# Altium PCB RevA3.PcbDoc (part 3 of 5)
Units mm, origin at the board's own origin, x right, y up, seen from the top; angles counter-clockwise.
Board outline 173 x 171 mm, 4 copper layers (Top Layer, Mid Layer 1, Mid Layer 2, Bottom Layer), stack 1.57 mm thick; 306 components, 465 nets, 1987 pads, 739 vias.
Unrouted connection lines stored in the file: 355.
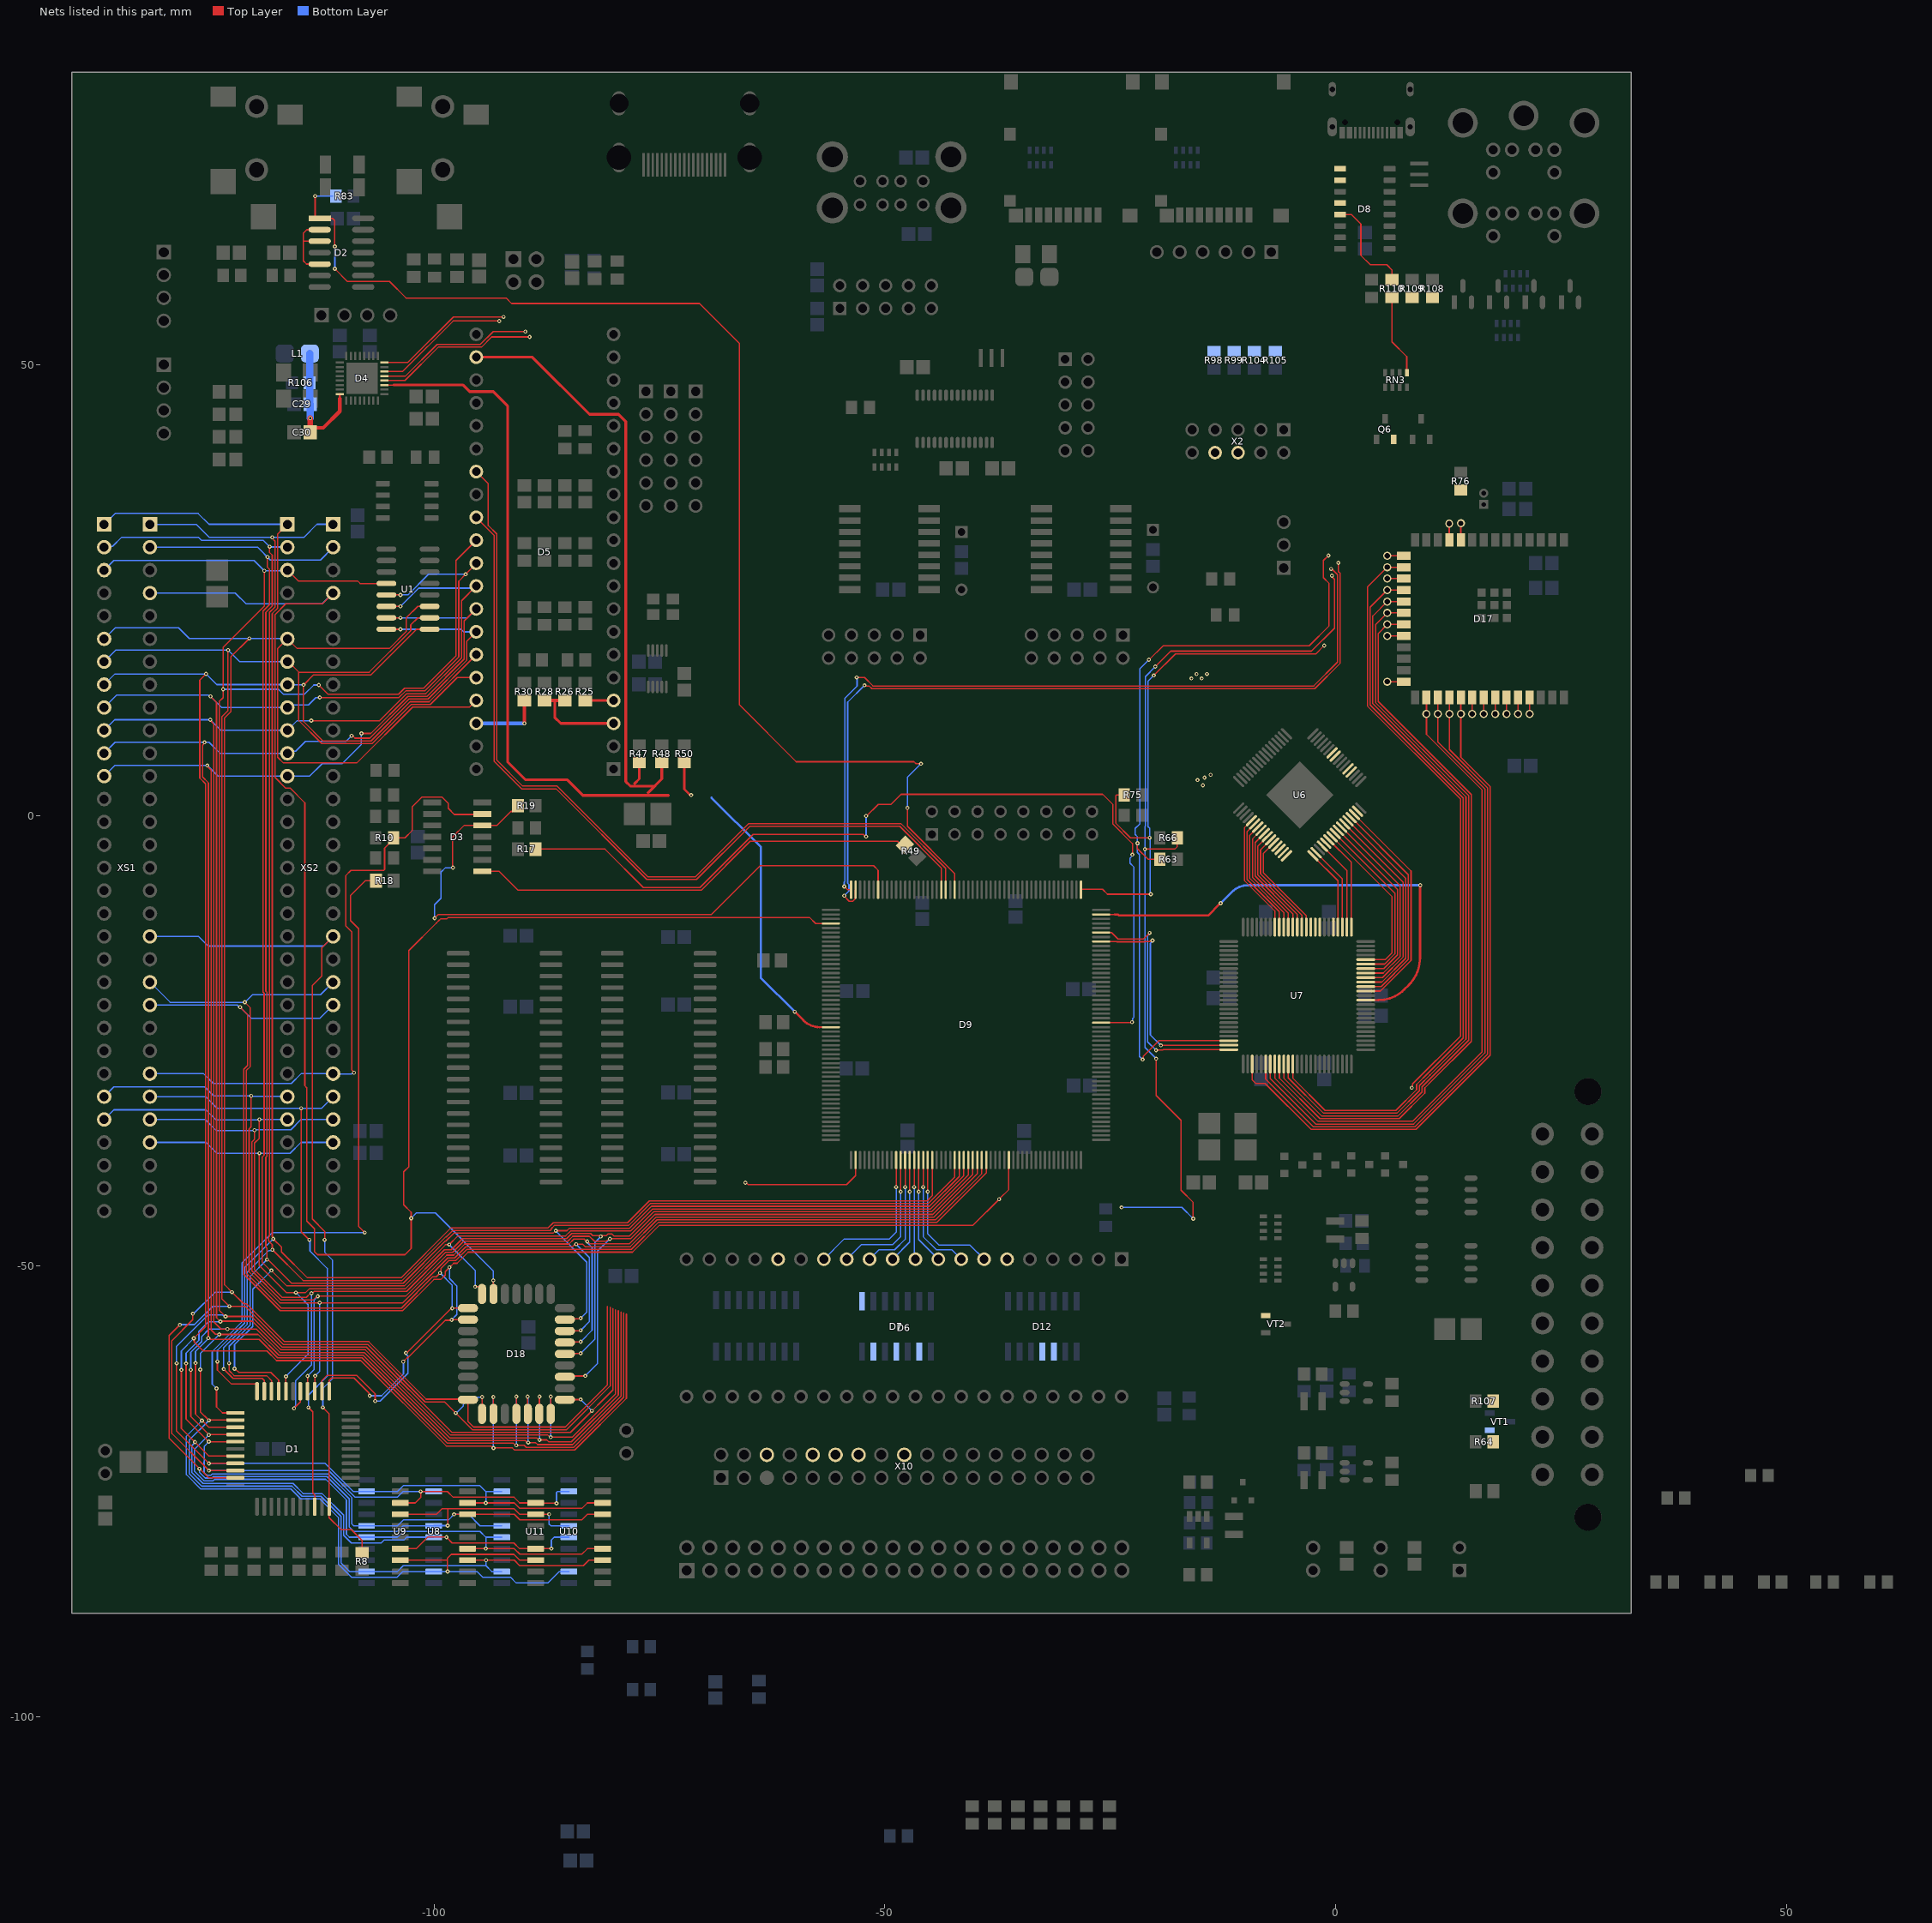
[diagram p5: the nets of this part, all layers, seen from the top]

## Via types
v1: diameter 0.45, hole 0.2, Top Layer to Bottom Layer, tented both sides, 631 vias
v2: diameter 0.9, hole 0.6, Top Layer to Bottom Layer, 35 vias
v3: diameter 0.5, hole 0.2, Top Layer to Bottom Layer, 25 vias
v4: diameter 0.45, hole 0.2, Top Layer to Bottom Layer, tented bottom, 18 vias
v5: diameter 0.45, hole 0.2, Top Layer to Bottom Layer, 15 vias
v6: diameter 1, hole 0.5, Top Layer to Bottom Layer, tented both sides, 9 vias
v7: diameter 5.5, hole 3.96, Top Layer to Bottom Layer, 6 vias

## Nets (pads, with @x,y where several pads share a name; then routed paths per layer and width w, separated by ;. In a path a pad name is that pad's centre, name@x,y a point inside that pad or via, vN(x,y) a via of type N, cw(c..) or ccw(c..) an arc to the next point about the centre after c; other vN are vias at no path point) (continued)
A6: D1.34 D6.6 D9.36 D18.6 XS1.A22 XS2.A22 | length 175.8
  Top Layer w0.15: v1(-121.524,-21.284) -120.7,-22.108 -120.7,-27.749 -121.133,-28.182 -121.133,-50.913 -117.086,-54.961 -103.503,-54.961 -100.042,-51.5 -99.264,-51.5 -98.775,-51.011 -98.775,-50.624 v1(-98.3,-50.149) ; D1.34@-111.65,-63.9 -111.65,-62.7 -111.375,-62.425 -108.912,-62.425 -107.236,-64.1 -107.236,-64.314 v1(-107.15,-64.4) ; v1(-103.434,-60.615) -102.988,-60.169 -102.919,-60.169 -98.777,-56.027 -98.116,-56.027 v1(-98.069,-55.98) -98.054,-55.965 -96.27,-55.965 D18.6@-96.255,-55.95 ; v1@-98.25,-50.149 -98.25,-50.099 -97.851,-49.7 -97.462,-49.7 -96.225,-48.463 -78.005,-48.463 -75.019,-45.477 -40.209,-45.477 v1(-37.322,-42.59) ; D9.36@-36.25,-38.25 -36.25,-41.518 -37.239,-42.507 v1@-37.239,-42.59 ; v1(-37.322,-42.59) v1@-37.239,-42.59 ; v1(-37.322,-42.59) v1@-37.239,-42.59
  Bottom Layer w0.15: XS1.A22@-131.53,-21.05 -121.837,-21.05 -121.603,-21.284 v1(-121.524,-21.284) -120.293,-22.515 -112.675,-22.515 XS2.A22@-111.21,-21.05 ; v1(-107.15,-64.4) -105.834,-64.4 -103.411,-61.977 -103.411,-60.638 v1(-103.434,-60.615) ; v1(-98.3,-50.149) -98.3,-51.398 -97.475,-52.223 -97.475,-55.386 v1(-98.069,-55.98)
A7: D1.35 D9.31 D18.5 XS1.A21 XS2.A21 | length 173.8
  Top Layer w0.15: v1(-121.003,-20.745) -120.4,-21.348 -120.4,-27.873 -120.833,-28.307 -120.833,-50.789 -116.962,-54.661 -103.627,-54.661 -100.166,-51.2 -99.777,-51.2 v1(-99.35,-50.772) ; D1.35@-112.45,-63.9 -112.45,-62.7 -111.875,-62.125 -108.612,-62.125 -106.55,-64.187 v1(-106.55,-64.995) ; v1(-103.136,-59.644) -103.04,-59.644 -98.096,-54.7 v1(-98,-54.7) -97.99,-54.69 -96.265,-54.69 D18.5@-96.255,-54.68 ; v1@-99.382,-50.732 -99.264,-50.614 -99.264,-50.3 -98.364,-49.4 -97.596,-49.4 -96.359,-48.163 -78.13,-48.163 -75.144,-45.177 -44.253,-45.177 -38.75,-39.674 D9.31@-38.75,-38.25
  Bottom Layer w0.15: XS1.A21@-131.53,-18.51 -129.295,-20.745 v1(-121.003,-20.745) ; v1@-121.003,-20.677 -120.935,-20.677 -120.159,-19.902 -112.602,-19.902 XS2.A21@-111.21,-18.51 ; v1(-106.55,-64.995) -106.006,-64.995 -102.907,-61.897 -102.907,-59.995 -103.136,-59.766 v1(-103.136,-59.644) ; v1(-99.35,-50.772) -98,-52.122 v1(-98,-54.7)
A8: D1.36 D9.30 D18.27 XS1.B26 XS2.B26 | length 153.5
  Top Layer w0.15: v1(-120.308,-31.132) -120.308,-34.561 -120.533,-34.786 -120.533,-50.665 -117.11,-54.088 v1(-112.705,-54.088) -103.478,-54.088 -98.49,-49.1 -97.72,-49.1 -96.483,-47.863 -84.658,-47.863 -84.376,-47.581 v1(-84.254,-47.581) ; D1.36@-113.25,-63.9 -113.233,-63.883 -113.233,-62.217 v1(-113.215,-62.2) ; D18.27@-85.205,-57.23 -85.153,-57.178 -83.792,-57.178 v1(-83.75,-57.137) ; v1@-84.132,-47.581 -83.528,-47.581 -83.253,-47.856 -78.247,-47.856 -75.268,-44.877 -44.377,-44.877 -39.25,-39.75 D9.30@-39.25,-38.25
  Bottom Layer w0.15: XS1.B26@-136.866,-31.466 -135.535,-30.135 -125.446,-30.135 -124.448,-31.132 -120.483,-31.132 -120.445,-31.171 -116.329,-31.171 XS2.B26@-116.29,-31.21 ; v1(-113.215,-62.2) -112.705,-61.689 v1(-112.705,-54.088) ; v1(-84.254,-47.581) -82.777,-49.058 -82.777,-56.164 v1(-83.75,-57.137)
A9: D1.37 D9.29 D18.26 XS1.A27 XS2.A27 | length 151
  Top Layer w0.15: v1(-119.94,-34.935) -119.94,-35.952 -120.233,-36.246 -120.233,-50.541 -116.986,-53.788 -113.433,-53.788 -113.003,-53.357 -103.172,-53.357 -98.615,-48.8 -97.844,-48.8 -96.608,-47.563 -85.049,-47.563 -84.492,-47.006 -83.365,-47.006 -83.09,-47.281 v1(-83.015,-47.281) ; D1.37@-114.05,-63.9 v1(-114.05,-62.21) ; D18.26@-85.17,-58.465 -85.15,-58.445 -83.795,-58.445 v1(-83.75,-58.4) ; v1@-82.977,-47.281 -82.702,-47.556 -78.371,-47.556 -75.392,-44.577 -44.569,-44.577 -39.75,-39.758 D9.29@-39.75,-38.25
  Bottom Layer w0.15: XS1.A27@-131.53,-33.75 -125.406,-33.75 -124.156,-35 -120.005,-35 -119.882,-34.877 -115.896,-34.877 -114.77,-33.75 XS2.A27@-111.21,-33.75 ; v1(-114.05,-62.21) -113.311,-61.472 -113.311,-53.761 v1(-112.907,-53.357) ; v1(-83.75,-58.4) -82.477,-57.126 -82.477,-47.941 -83.015,-47.403 v1(-83.015,-47.281)
A10: D1.38 D9.28 D18.23 XS1.B27 XS2.B27 | length 161
  Top Layer w0.15: v1(-119.399,-33.748) -119.399,-35.836 -119.933,-36.37 -119.933,-50.416 -116.862,-53.488 -114.179,-53.488 -113.733,-53.041 -113.526,-53.041 -113.298,-52.813 -103.052,-52.813 -98.739,-48.5 -97.968,-48.5 -96.732,-47.263 -85.173,-47.263 -84.616,-46.706 -82.777,-46.706 -82.227,-47.256 -80.901,-47.256 -80.626,-46.981 v1@-80.542,-46.981 ; v1(-115.55,-65.8) -114.85,-65.1 D1.38@-114.85,-63.9 ; D18.23@-85.135,-62.24 -85.11,-62.215 -83.265,-62.215 v1(-83.25,-62.2) ; v1(-80.504,-46.981) -78.22,-46.981 -75.516,-44.277 -44.693,-44.277 -40.25,-39.834 D9.28@-40.25,-38.25
  Bottom Layer w0.15: XS1.B27@-136.785,-33.925 -135.535,-32.675 -125.325,-32.675 -124.2,-33.8 -119.451,-33.8 v1(-119.399,-33.748) ; v1@-119.398,-33.749 XS2.B27@-116.29,-33.75 ; v1(-115.55,-65.8) -115.55,-65.678 -115.375,-65.503 -115.375,-62.741 -113.611,-60.977 v1(-113.611,-53.041) ; v1(-83.25,-62.2) -81.877,-60.827 -81.877,-48.354 v1(-80.504,-46.981)
A11: D1.40 D9.27 D18.25 XS1.A28 XS2.A28 | length 149
  Top Layer w0.15: v1(-119.396,-37.496) -119.396,-49.967 -116.415,-52.948 v1(-115.354,-52.948) -114.26,-52.948 -113.826,-52.513 -103.177,-52.513 -98.863,-48.2 -98.093,-48.2 -96.856,-46.963 -85.298,-46.963 -84.741,-46.406 -82.652,-46.406 -82.416,-46.642 -81.511,-46.642 -81.507,-46.646 -80.911,-46.646 -80.721,-46.456 -80.286,-46.456 -80.061,-46.681 -78.345,-46.681 -75.641,-43.977 -44.817,-43.977 -40.75,-39.91 D9.27@-40.75,-38.25 ; D1.40@-116.45,-63.9 v1(-116.449,-62.269) ; D18.25@-85.135,-59.7 -85.105,-59.73 -83.78,-59.73 v1(-83.75,-59.7)
  Bottom Layer w0.15: XS1.A28@-131.53,-36.29 -125.307,-36.29 -124.097,-37.5 -119.399,-37.5 v1(-119.396,-37.496) -119.393,-37.5 -115.98,-37.5 -114.77,-36.29 XS2.A28@-111.21,-36.29 ; v1(-116.449,-62.269) -116.449,-62.224 -114,-59.775 -114,-54.302 v1(-115.354,-52.948) ; v1(-83.75,-59.7) -82.177,-58.127 -82.177,-47.397 v1(-81.511,-46.731)
A12: D1.41 D9.26 D18.4 XS1.A2 XS2.A2 | length 212.3
  Top Layer w0.15: v1(-122.15,-61.4) -121.65,-61.8 -118.125,-61.8 -117.25,-62.675 D1.41@-117.25,-63.9 ; v1(-118.493,28.662) -118.493,27.538 -118.265,27.31 -118.265,23.373 -118.975,22.663 -118.975,-19.62 -118.867,-19.728 -118.867,-37.71 -119.096,-37.939 -119.096,-49.567 -118.163,-50.5 v1(-118.05,-50.5) -116.336,-52.213 -103.308,-52.213 -98.747,-47.652 -98.358,-47.652 v1(-98.331,-47.625) -97.369,-46.663 -85.422,-46.663 -84.865,-46.106 -78.194,-46.106 -75.765,-43.677 -44.941,-43.677 -41.25,-39.986 D9.26@-41.25,-38.25 ; v1(-95.45,-52.3) -94.831,-52.3 -94.66,-52.471 D18.4@-94.66,-52.842
  Bottom Layer w0.15: XS1.A2@-131.53,29.75 -119.581,29.75 -118.172,28.341 -112.619,28.341 XS2.A2@-111.21,29.75 ; v1(-122.15,-61.4) -122.15,-58.727 -120.132,-56.709 -120.132,-52.582 v1(-118.05,-50.5) ; v1(-98.331,-47.625) -95.45,-50.506 v1(-95.45,-52.3)
A13: D1.42 D9.25 D18.28 XS1.B2 XS2.B2 | length 218.7
  Top Layer w0.15: v1(-122.75,-60.8) -122.75,-61.613 -122.194,-62.169 -118.581,-62.169 -118.05,-62.7 D1.42@-118.05,-63.9 ; v1(-118.253,29.81) -118.253,29.165 -117.965,28.876 -117.965,23.248 -118.675,22.538 -118.675,-19.496 -118.567,-19.603 -118.567,-37.834 -118.675,-37.942 -118.675,-47.899 -118.55,-48.024 v1(-118.55,-49.3) -118.437,-49.3 -115.823,-51.913 -103.432,-51.913 -98.783,-47.263 -98.712,-47.263 -97.812,-46.363 -86.817,-46.363 -86.542,-46.088 v1(-86.504,-46.088) -85.271,-46.088 -84.989,-45.806 -78.318,-45.806 -75.889,-43.377 -45.066,-43.377 -41.75,-40.061 D9.25@-41.75,-38.25 ; D18.28@-85.135,-55.89 -85.12,-55.875 -83.825,-55.875 v1(-83.75,-55.8)
  Bottom Layer w0.15: XS1.B2@-136.61,29.75 -136.504,29.856 -135.673,29.856 -134.666,30.863 -126.163,30.863 -125.8,30.5 -118.943,30.5 v1(-118.253,29.81) -118.223,29.78 -116.32,29.78 XS2.B2@-116.29,29.75 ; v1(-122.75,-60.8) -122.75,-58.903 -120.432,-56.585 -120.432,-51.182 v1(-118.55,-49.3) ; v1(-86.504,-46.088) -86.504,-46.144 -83.077,-49.571 -83.077,-55.127 v1(-83.75,-55.8)
A14: D1.43 D9.24 XS1.A1 XS2.A1 | length 206.9
  Top Layer w0.15: v1(-123.35,-61.435) -123.35,-61.437 -122.318,-62.469 -119.081,-62.469 -118.85,-62.7 D1.43@-118.85,-63.9 ; v1(-117.968,30.853) -117.968,30.731 -117.665,30.427 -117.665,23.124 -118.265,22.524 -118.265,-46.672 -118.375,-46.782 -118.375,-47.217 -117.965,-47.627 -117.965,-48.185 v1(-117.95,-48.2) -114.536,-51.613 -103.557,-51.613 -98.694,-46.75 -98.623,-46.75 -97.936,-46.063 -87.117,-46.063 -87.029,-45.975 -87.029,-45.871 -86.664,-45.506 -78.442,-45.506 -76.013,-43.077 -45.19,-43.077 -42.25,-40.137 D9.24@-42.25,-38.25
  Bottom Layer w0.15: XS1.A1@-131.53,32.29 -126.394,32.29 -124.957,30.853 v1(-117.968,30.853) -114.452,30.853 -113.005,32.3 XS2.A1@-111.15,32.3 ; v1(-123.35,-61.435) -123.35,-59.079 -120.732,-56.461 -120.732,-50.669 -118.349,-48.286 -118.036,-48.286 v1(-117.95,-48.2)
A15: D1.44 D9.19 XS1.B1 XS2.B1 | length 207.6
  Top Layer w0.15: v1(-124.05,-60.613) -124.05,-61.549 -122.524,-63.075 -119.773,-63.075 -119.65,-63.198 D1.44@-119.65,-63.9 ; XS2.B1@-116.275,32.275 -116.305,32.275 -117.351,31.229 -117.351,30.21 -117.365,30.196 -117.365,24.225 -117.351,24.211 -117.351,23.014 -117.965,22.4 -117.965,-46.763 -117.85,-46.878 v1(-117.85,-47) -117.85,-47.1 -117.75,-47.1 -116.95,-47.9 -116.95,-48.437 -114.074,-51.313 -103.681,-51.313 -98.131,-45.763 -87.346,-45.763 -86.788,-45.206 -78.567,-45.206 -76.138,-42.777 -45.314,-42.777 -44.75,-42.213 D9.19@-44.75,-38.25
  Bottom Layer w0.15: XS1.B1@-136.787,32.113 -135.4,33.5 -126.187,33.5 -124.987,32.3 XS2.B1@-116.25,32.3 ; v1(-124.05,-60.613) -124.05,-59.354 -121.032,-56.336 -121.032,-50.182 v1(-117.85,-47)
AC97_CLK_1: D4.11 R48.2 U6.4 | length 77.4
  Top Layer w0.15: D4.11@-105.525,47.75 -104.5,47.75
  Top Layer w0.3: -104.5,47.75 -96.781,47.75 -96.055,47.024 -93.444,47.024 -91.856,45.436 -91.856,5.947 -89.846,3.938 -85.231,3.938 -83.51,2.217 -74.033,2.217 ; -76.283,2.517 -74.75,4.05 R48.2@-74.75,5.846
ADCDAT_1: D4.16 D17.35 U6.5 | length 17.1
  Top Layer w0.15: D4.16@-105.525,50.25 -102.924,50.25 -97.873,55.302 -92.305,55.302 v1(-92.298,55.308) ; v2(18.972,11.25) D17.35@18.972,13.075
  other v1: -14.722,3.326
  other v4: -14.276,15.689
ATX_POWERON_1: R64.2 R107.2 VT1.1 VT2.1
AVDD: C29.1 C30.1 D4.32 L1.1 R106.2 | length 14.5
  Top Layer w0.2: -110.475,46.25 D4.32@-110.475,46.75
  Top Layer w0.4: C30.1@-113.75,42.5 -113.25,43 -112.311,43 -110.475,44.836 -110.475,46.25
  Top Layer w0.6: C30.1@-113.75,43 v1(-113.75,44.073)
  Bottom Layer w0.8: L1.1@-113.787,51.25 -113.805,51.232 -113.805,48.018 R106.2@-113.823,48 -113.787,47.963 -113.787,45.662 C29.1@-113.75,45.625 v1(-113.75,44.073)
AY_BC1_1: D5.29 D9.136 | length 89.7
  Top Layer w0.15: D5.29@-95.335,33.065 -95.335,33.058 -93.366,31.089 -93.366,6.012 -90.301,2.947 -86.478,2.947 -76.418,-7.113 -70.885,-7.113 -64.98,-1.208 -48.356,-1.208 -43.75,-5.814 D9.136@-43.75,-8.25
AY_BDIR_1: D5.27 D9.135 | length 95
  Top Layer w0.15: D5.27@-95.335,38.145 -93.998,36.808 -93.998,32.153 -93.066,31.221 -93.066,6.136 -90.177,3.247 -86.354,3.247 -76.293,-6.813 -71.009,-6.813 -65.104,-0.908 -48.224,-0.908 -43.25,-5.882 D9.135@-43.25,-8.25
AY_CLK_1: D5.22 R47.2 | length 65.5
  Top Layer w0.3: D5.22@-95.335,50.845 -89.112,50.845 -82.767,44.5 -79.556,44.5 -78.75,43.694 -78.75,3.75 -78.25,3.25 -75.5,3.25 ; -77.75,3.55 -77.25,4.05 R47.2@-77.25,5.846
  Bottom Layer w0.3: D5.22@-95.335,50.818 D5.22@-95.335,50.845
B\E\E\P\_3: D2.2 D2.3 D2.5 | length 8.8
  Top Layer w0.15: D2.5@-112.7,61.17 -114.161,61.17 -114.512,61.521 -114.512,63.71 ; D2.3@-112.7,63.71 -114.512,63.71 ; D2.2@-112.7,64.98 -114.136,64.98 -114.512,64.604 -114.512,63.71
B\U\S\A\: D1.20 XS1.A26 XS2.A26 | length 67.7
  Top Layer w0.15: v1(-114.75,-32.5) -114.75,-46.2 v1(-113.85,-47.1) ; v1(-113.95,-65.7) -113.475,-66.175 -113.475,-75.175 -113.25,-75.4 D1.20@-113.237,-76.7
  Bottom Layer w0.15: XS1.A26@-131.53,-31.21 -125.356,-31.21 -124.066,-32.5 v1(-114.75,-32.5) -112.5,-32.5 XS2.A26@-111.21,-31.21 ; v1@-113.95,-65.5 -113.95,-64.333 -111.863,-62.247 -111.863,-50.262 -113.775,-48.35 -113.775,-47.175 v1(-113.85,-47.1)
B\U\S\R\: D1.22 R8.2 XS1.A19 XS2.A19 | length 94.4
  Top Layer w0.15: v1(-112.35,-65.7) -111.65,-66.4 D1.22@-111.65,-76.7 -111.65,-77.925 -110.312,-79.262 -109.187,-79.262 -108,-80.45 R8.2@-108,-81.798 ; v1(-112.15,-47.1) -112.15,-46.148 -113.525,-44.773 -113.525,-18.88 -112.45,-17.805 -112.45,-14.67 -111.25,-13.47 XS2.A19@-111.25,-13.4
  Bottom Layer w0.15: XS1.A19@-131.53,-13.43 -126.15,-13.43 -125.075,-14.505 -112.285,-14.505 XS2.A19@-111.21,-13.43 ; v1(-112.35,-65.7) -112.35,-63.582 -111.263,-62.495 -111.263,-49.362 -112.15,-48.475 v1(-112.15,-47.1)
BCLK_1: D4.12 D17.32 U6.9 | length 19.9
  Top Layer w0.15: D4.12@-105.525,48.25 -103.248,48.25 -99.548,51.95 -94.761,51.95 -93.624,53.087 v1(-89.411,53.087) ; v2(15.162,11.25) D17.32@15.162,13.075
  other v1: -15.322,3.922
  other v4: -16,15.19
BEEP_1: D2.1 D9.133 R83.1 | length 139.9
  Top Layer w0.15: v1(-113.203,68.71) -113.203,66.5 -112.953,66.25 D2.1@-112.7,66.25 -111.287,66.25 -111.05,66.013 -111.05,63.149 v1(-111.015,63.114) ; v1(-111.021,60.642) -109.629,59.25 -104.964,59.25 -103.119,57.405 -92.017,57.405 -91.411,56.799 -70.566,56.799 -66.125,52.358 -66.125,12.241 -59.834,5.95 -46.762,5.95 -46.537,5.725 v1(-46,5.725) ; v1(-47.493,0.824) -47.493,-1.212 -42.25,-6.455 D9.133@-42.25,-8.25
  Bottom Layer w0.15: v1(-113.203,68.71) R83.1@-111.25,68.71 ; v1(-111.021,60.642) -111.018,60.645 -111.018,63.111 v1(-111.015,63.114) ; v1(-47.493,0.824) -47.493,4.232 v1(-46,5.725)
C\O\N\F\I\G\_1: D9.105 D17.22 R75.1 | length 63.2
  Top Layer w0.15: D9.105@-28.25,-8.25 -28.2,-8.2 -25.857,-8.2 -25.306,-8.75 v1(-20.5,-8.75) ; R75.1@-23.453,2.25 -24.304,2.25 -24.392,2.162 -24.392,-0.858 -22.765,-2.485 v1(-20.628,-2.485) ; v4(-20.163,15.525) -17.768,17.92 -2.193,17.92 -1.276,18.837 v1(-1.26,18.837) ; v2(5.737,19.92) D17.22@7.562,19.92
  Bottom Layer w0.15: v1(-20.5,-8.75) -20.564,-8.686 -20.564,-2.543 -20.625,-2.482 -20.619,-2.476 -20.619,-1.431 -20.799,-1.251 -20.799,14.888 v4(-20.163,15.525)
C\P\L\D\_\S\S\E\L\_1: D17.15 R63.2 U7.73 | length 91.4
  Top Layer w0.15: v1(-21.979,-3.09) -21.99,-3.101 -21.99,-3.69 -20.797,-4.883 R63.2@-19.501,-4.883 ; v1(-21.411,-27.091) -21.331,-27.011 -21.331,-26.728 -19.603,-25 U7.73@-11.85,-25 ; v4(-20.716,17.268) -20.679,17.268 -19.128,18.82 -2.93,18.82 -0.723,21.027 -0.723,25.745 -1.346,26.368 -1.346,28.284 v1(-0.797,28.833) ; v2(5.737,28.81) D17.15@7.562,28.81
  Bottom Layer w0.15: v1(-21.411,-27.091) -21.751,-26.751 -21.751,-5.597 -21.754,-5.594 -21.754,-4.36 -21.998,-4.116 -21.998,-3.298 -21.936,-3.236 -21.833,-3.236 -21.885,-3.185 v1(-21.979,-3.09) -21.979,-2.37 -22.231,-2.117 -22.231,-1.458 -21.72,-0.946 -21.72,16.265 v4(-20.716,17.268)
C\S\R\O\M\_1: D3.6 R10.2 XS1.A25 XS2.A25 | length 68.8
  Top Layer w0.15: v1(-108.905,-28.556) -108.905,-28.468 -109.13,-28.243 -109.13,-12.932 -109.825,-12.238 -109.825,-6.694 -109.229,-6.099 -105.588,-6.099 -105.5,-6.011 -105.5,-3.631 -104.496,-2.627 R10.2@-104.496,-2.5 -103.247,-2.5 -102.451,-1.703 -102.451,0.921 -101.352,2.02 -99.124,2.02 -98.443,1.34 -98.443,0.781 -97.763,0.1 -94.7,0.1 D3.6@-94.65,0.15
  Bottom Layer w0.15: XS1.A25@-131.53,-28.67 -125.58,-28.67 -124.505,-29.745 -115.845,-29.745 -114.77,-28.67 XS2.A25@-111.21,-28.67 -111.18,-28.7 -109.171,-28.7 -109.027,-28.556 v1(-108.905,-28.556)
CHA_3: D5.4 R25.2 | length 3.2
  Top Layer w0.3: R25.2@-83.25,12.75 -83.245,12.745 D5.4@-80.095,12.745
CHB_3: D5.3 R26.2 R28.2 | length 10.9
  Top Layer w0.3: -86.625,12.75 -86.625,10.875 -85.955,10.205 D5.3@-80.095,10.205
  Top Layer w0.4: R28.2@-87.75,12.75 -86.625,12.75 R26.2@-85.5,12.75
CHC_3: D5.38 R30.2 | length 7.9
  Top Layer w0.4: v1(-90,10.205) R30.2@-90,12.75
  Bottom Layer w0.4: D5.38@-95.335,10.205 v1(-90,10.205)
CLKZ_1: D1.1 R18.2 | length 76.4
  Top Layer w0.15: v1(-124.15,-63.6) -124.15,-65.641 -123.492,-66.3 D1.1@-122.05,-66.3 ; v1(-107.7,-46.29) -108.38,-45.609 -108.38,-12.567 -109.273,-11.674 -109.273,-8.893 -107.63,-7.25 R18.2@-106.5,-7.25
  Bottom Layer w0.15: v1(-124.15,-63.6) -124.625,-63.125 -124.625,-59.505 -121.332,-56.212 -121.332,-49.669 -117.953,-46.29 v1(-107.7,-46.29)
CLKZ_IN_1: D9.79 R17.2 | length 101
  Top Layer w0.15: R17.2@-88.75,-3.75 -81.054,-3.75 -76.79,-8.013 -70.512,-8.013 -64.621,-2.122 -52.405,-2.122 -52.177,-2.351 v1(-52.092,-2.351) ; v1(-52.081,-0.067) -52.026,-0.067 -50.737,1.223 -49.319,1.223 -48.207,2.335 -25.836,2.335 -24.692,1.191 -24.692,-0.982 -22.536,-3.138 v1(-22.536,-4.357) ; D9.79@-26,-23 -22.627,-23 v1(-22.576,-22.949)
  Bottom Layer w0.15: v1(-52.092,-2.351) -52.087,-2.345 -52.087,-0.072 v1(-52.081,-0.067) ; v1(-22.576,-22.949) -22.518,-22.89 -22.518,-22.564 -22.36,-22.407 -22.36,-5.746 -22.799,-5.307 -22.799,-5.303 -22.818,-5.285 -22.818,-4.76 -22.536,-4.478 v1(-22.536,-4.357)